# Altium PCB DataDriven_PCB.PcbDoc (part 3 of 3) (continued)
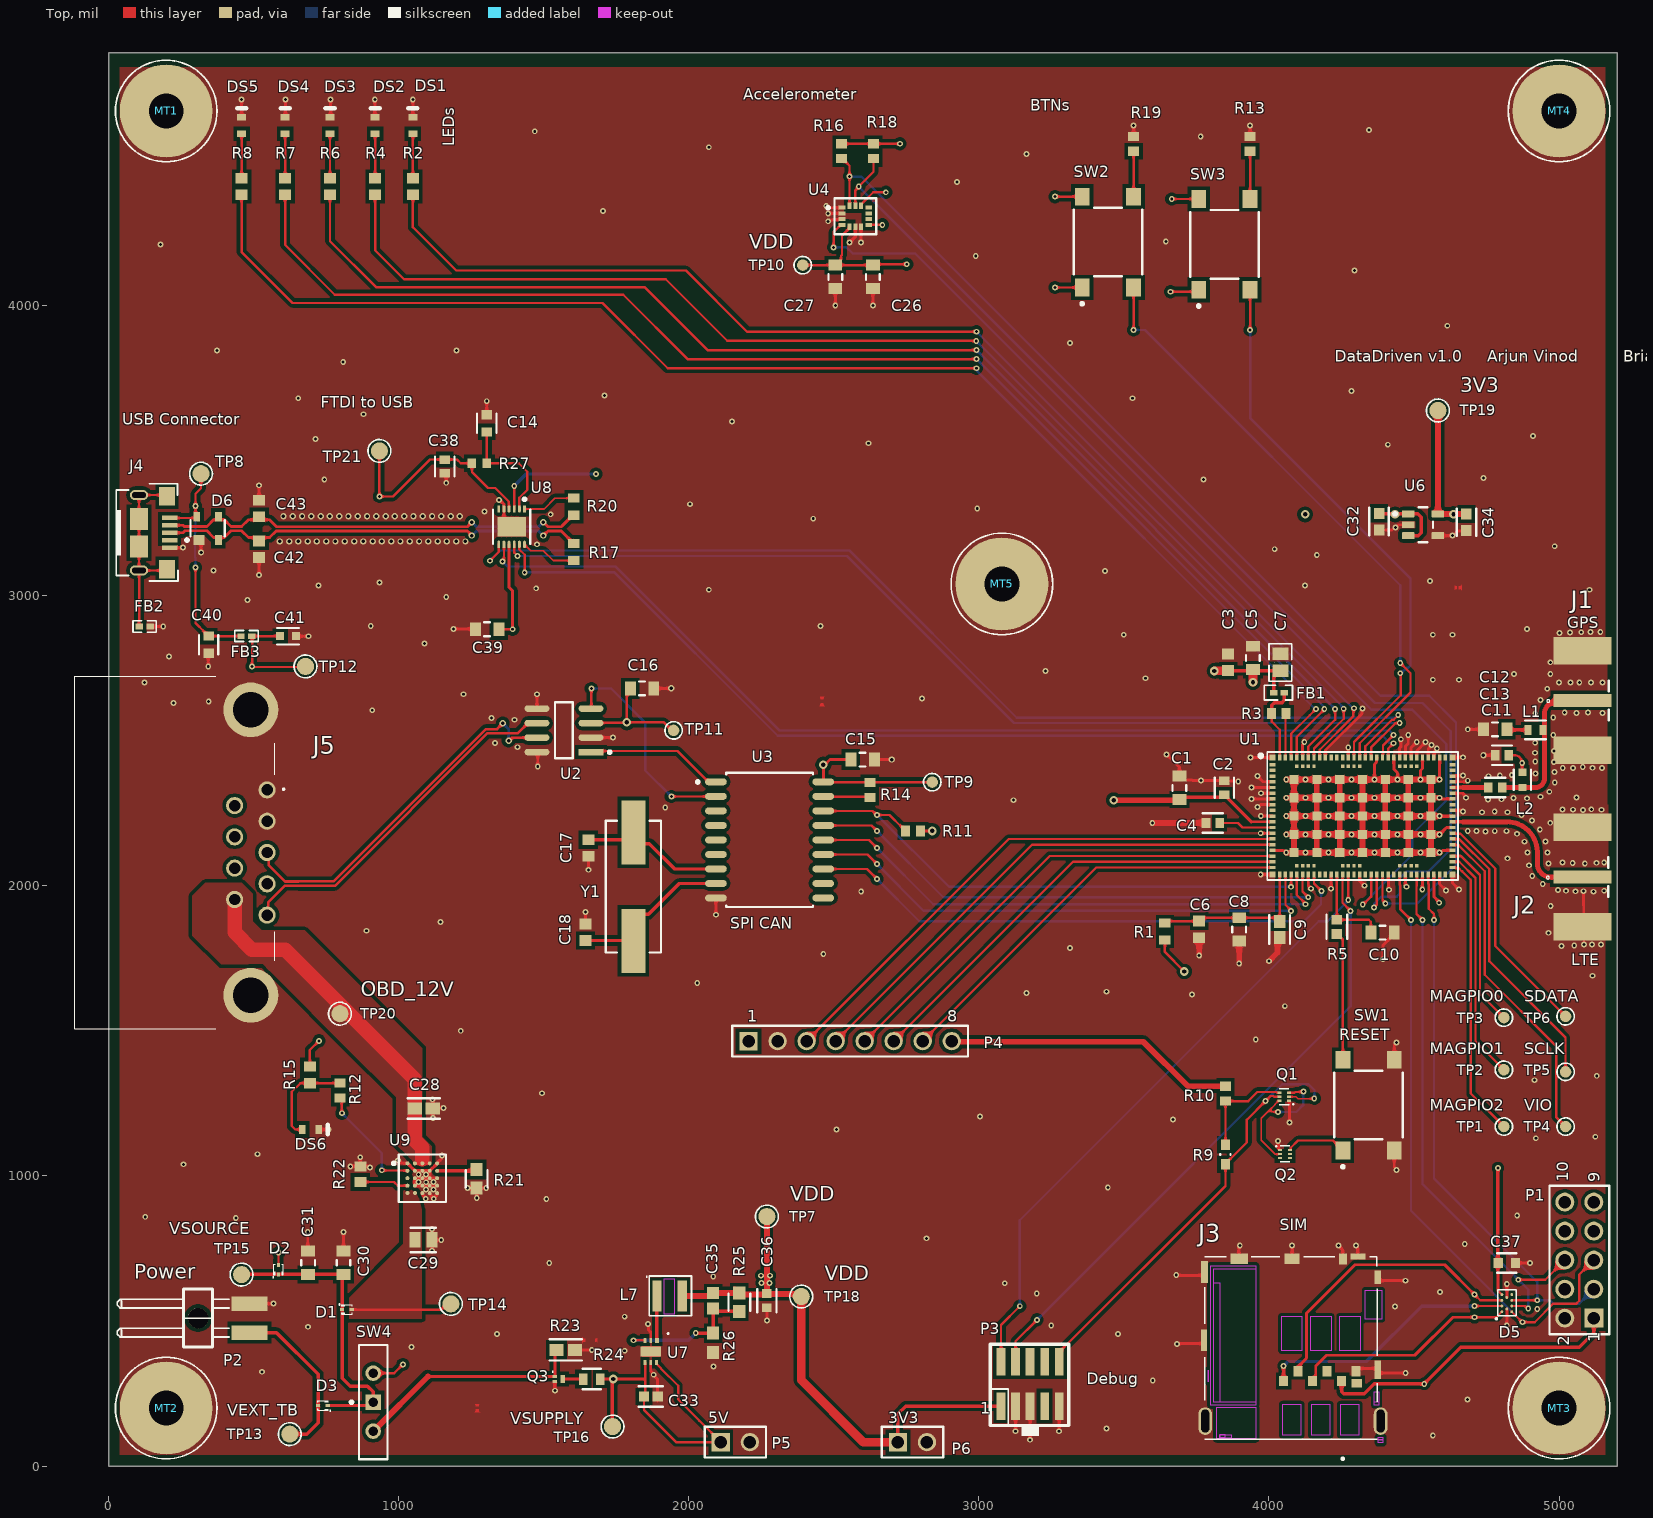
[diagram p0: Top view]
## Nets (pads, with @x,y where several pads share a name; then routed paths per layer and width w, separated by ;. In a path a pad name is that pad's centre, name@x,y a point inside that pad or via, vN(x,y) a via of type N, cw(c..) or ccw(c..) an arc to the next point about the centre after c; other vN are vias at no path point) (continued)
  Top w11.81: U1.55@4632.68,2102.36 4644.95,2102.36
MAGPIO1: TP2.1 U1.54 | length 803.7
  Top w8: U1.54@4632.68,2082.68 4655.83,2082.68 4711.95,2026.56 4711.95,1464.03 TP2.1@4810,1365.98
MAGPIO2: TP1.1 U1.53 | length 977.9
  Top w8: U1.53@4632.68,2062.99 4634.65,2061.02 4654.08,2061.02 4665.11,2050 cw(c4661.9,2042.67) 4667.55,2048.33 4694.28,2021.6 cw(c4688.62,2015.94) 4695.94,2019.19 ; 4695.95,2019.15 4695.95,1284.13 TP1.1@4810,1170.08
NetC6_2: C6.2 C8.1 C9.1 R1.2 U1.22 | length 569.9
  Top w8: R1.2@3641.73,1872.05 3647.64,1877.95 C6.2@3759.84,1877.95 3771.65,1889.76 C8.1@3897.64,1889.76 4024.63,1889.76 C9.1@4037.4,1876.99 U1.22@4037.4,2038.58
NetC10_1: C10.1 R5.2 U1.32 | length 313
  Top w8: U1.32@4234.25,2038.58 R5.2@4234.25,1882.87 4344.38,1882.87 4351.3,1875.96 C10.1@4351.3,1838.56
NetC12_1: C12.1 L1.1 | length 73.1
  Top w12: C12.1@4820.35,2539.06 4822.57,2536.85 L1.1@4892.5,2536.85
NetC14_1: C14.1 R27.2 U8.2 | length 401.1
  Top w8: R27.2@1304.84,3453.95 R27.2@1304.84,3455.92 ; C14.1@1304.84,3564.18 R27.2@1304.84,3455.92 ; U8.2@1417.04,3298.44 1417.04,3337.04 1444,3364 1444,3427 1415.08,3455.92 R27.2@1304.84,3455.92
NetC17_2: C17.2 U3.7 Y1.1 | length 504.5
  Top w11.81: C17.2@1654.92,2158.54 1784.53,2158.54 Y1.1@1810,2184.02 1810,2180.43 1845.43,2145 1865,2145 1952.13,2057.87 U3.7@2094.49,2057.87
NetC18_2: C18.2 U3.8 Y1.2 | length 565.3
  Top w11.81: C18.2@1645,1811.46 1808.54,1811.46 Y1.2@1810,1810 1810,1866.7 1845.43,1902.14 1862.14,1902.14 1967.87,2007.87 U3.8@2094.49,2007.87
NetC29_1: C29.1 D1.2 TP14.1 U9.E1 U9.E2 | length 372.7
  Top w8: D1.2@839.37,539.37 1147.57,539.37 1167.25,559.06 TP14.1@1181.1,559.06 ; C29.1@1045.28,767.72 C29.1@1057.09,779.53 C29.1@1053.15,783.46 ; U9.E2@1057.09,940.41 U9.E2@1057.09,940.94
NetC39_1: C39.1 U8.3 U8.9 | length 1443.1
  Top w10: C39.1@1346.43,2884.11 v1(1394.11,2884.11) 1394.11,3016.3 1381.61,3028.79 U8.9@1381.61,3176.39 ; U8.3@1399.33,3298.44 v1(1399.33,3377.67)
  PWR w12: v1(1394.11,2884.11) 1507.11,2884.11 1681,3058 v1(1681,3419)
  Bottom w12: v1(1399.33,3377.67) 1440.65,3419 v1(1681,3419)
NetC40_1: C40.1 D6.4 FB3.1 J4.1 TP8.1 | length 833.8
  Top w7.87: J4.1@211.61,3267.72 300.87,3267.72 D6.4@305.13,3271.97 301,3276.1 v1(301,3308.75) 301,3350.75 320,3369.75 TP8.1@320,3420
  Top w8: v1(301,3096.62) 301,2905.69 332.74,2873.95 332.74,2871.98 344.49,2860.24 C40.1@346.46,2860.24 FB3.1@457.68,2860.24
  Bottom w8: v1(301,3096.62) 301,3130.01 299.5,3131.51 299.5,3216.61 301,3218.11 v1(301,3308.75)
NetD5_A1: D5.A1 J3.2 | length 765.1
  Top w8: v1(4708.81,512.99) 4784.06,512.99 D5.A1@4802.95,531.89
  Top w10: J3.2@4150.83,303.15 4161.57,313.9 4161.57,344.97 4198.49,381.89 4503.12,381.89 4634.23,512.99 v1(4708.81,512.99)
NetD5_A2: D5.A2 J3.3 | length 879.5
  Top w8: v1(4708.81,551.5) 4708.89,551.57 D5.A2@4802.95,551.57
  Top w11.81: J3.3@4050.83,303.15 v1(4050.83,344.96)
  Bottom w11.81: v1(4050.83,344.96) 4066.49,360.62 4336.61,360.62 4527.48,551.5 v1(4708.81,551.5)
NetD5_A3: D5.A3 J3.6 | length 1006.7
  Top w8: v1(4708.89,590.94) 4728.58,571.26 D5.A3@4802.95,571.26
  Top w10: J3.6@4099.61,325.59 4099.61,341.68 4129.92,372 4129.92,526.7 4297.08,693.86 4605.98,693.86 v1(4708.89,590.94)
NetDS1_1: DS1.1 R2.1 | length 152.9
  Top w8: R2.1@1050,4438.54 DS1.1@1050,4591.46
NetDS2_1: DS2.1 R4.1 | length 152.9
  Top w8: R4.1@920,4438.54 DS2.1@920,4591.46
NetDS3_1: DS3.1 R6.1 | length 152.9
  Top w8: R6.1@764.76,4438.54 DS3.1@764.76,4591.46
NetDS4_1: DS4.1 R7.1 | length 152.9
  Top w8: R7.1@610,4438.54 DS4.1@610,4591.46
NetDS5_1: DS5.1 R8.1 | length 152.9
  Top w8: R8.1@460,4438.54 DS5.1@460,4591.46
NetDS6_1: DS6.1 R12.2 R15.1 | length 343.4
  Top w8: DS6.1@668.81,1160 645,1160 632.78,1172.22 632.78,1290.1 662.43,1319.75 R15.1@694.91,1319.75 R12.2@799.35,1319.75 R12.2@803.28,1315.81
NetFB1_2: FB1.2 R3.2 U1.102 | length 269.5
  Top w8: R3.2@4008.5,2593.77 4010.39,2591.88 4010.39,2565 4037.4,2537.99 U1.102@4037.4,2441.73
  Top w12: R3.2@4008.5,2593.77 4010.39,2595.66 4010.39,2621.95 4018.44,2630 4045,2630 4053.7,2638.7 FB1.2@4053.7,2665
NetFB2_1: FB2.1 J4.6@106.3,3086.61 J4.6@106.3,3169.29 J4.6@106.3,3263.78 J4.6@106.3,3346.46 J4.6@202.76,3090.55 J4.6@202.76,3342.52 | length 649.3
  Top w8: FB2.1@107.28,2893.7 106.79,2894.19 106.79,3086.12 J4.6@106.3,3086.61 ; J4.6@202.76,3090.55 198.82,3086.61 J4.6@106.3,3086.61 ; J4.6@202.76,3342.52 198.82,3346.46 J4.6@106.3,3346.46 J4.6@106.3,3263.78 J4.6@106.3,3169.29 J4.6@106.3,3086.61
NetL7_1: L7.1 U7.1 | length 153.3
  Top w8: U7.1@1890.91,434.13 U7.1@1891.65,433.39 ; L7.1@1890.91,585.22 L7.1@1891.69,586.01
  Top w12: U7.1@1890.91,434.13 L7.1@1890.91,585.22
NetQ1_3: Q1.3 Q1.6 Q2.2 | length 474.1
  Top w6.3: v1@4031.16,1220.47 4030.66,1220.97 4010,1220.97 4003.28,1227.69 ; Q1.6@4036.3,1259.13 4033.35,1259.13 4021.19,1246.97 4021.19,1245.6 4003.28,1227.69 ; Q2.2@4039.17,1075.77 4038.38,1074.98 4022.37,1074.98 3973.75,1123.6 3973.75,1198.16 4003.28,1227.69
  Top w8: Q1.3@4069.77,1286.69 4088.58,1286.69 4091.25,1289.37 4117.56,1289.37 v1(4118.92,1290.73)
  Bottom w8: v1(4031.5,1220.47) 4094.49,1220.47 4118.11,1244.09 4118.11,1289.92 v1(4118.92,1290.73)
NetQ1_4: Q1.4 R9.2 R10.1 | length 350.7
  Top w8: R9.2@3850.39,1107.28 R10.1@3850.39,1257.87 3928.71,1257.87 3960.27,1289.43 4025.79,1289.43 4025.85,1289.37 4028.53,1286.69 Q1.4@4036.3,1286.69
NetQ2_6: Q2.6 SW1.1 | length 217.5
  Top w8: Q2.6@4072.63,1089.55 4075.58,1089.55 4075.58,1097.04 4100.59,1122.05 4220.67,1122.05 4230.51,1112.2 4235.43,1112.2 4255.12,1092.52 SW1.1@4255.12,1087.6
NetQ3_1: Q3.1 R23.2 SW4.2 | length 795.5
  Top w10: 1101.97,309.06 Q3.1@1539.37,309.06 R23.2@1539.37,400.49
  Top w20: SW4.2@913.39,120.47 1101.97,309.06
NetQ3_3: Q3.3 R24.2 | length 70.4
  Top w8: Q3.3@1566.93,300.2 Q3.3@1567.13,300
  Top w10: Q3.3@1567.13,300 R24.2@1637.29,300
NetR3_1: R3.1 U1.101 | length 152
  Top w8: U1.101@4057.09,2441.73 R3.1@4057.09,2593.77
NetR12_1: R12.1 U9.B1 | length 397.7
  Top w8: R12.1@799.35,1268.57 804.85,1263.06 804.85,1217.03 v1(805.55,1216.33) ; v1(943.07,1019.54) 943.98,1018.63 1030.58,1018.63 U9.B1@1031.5,1017.72
  Bottom w8: v1(805.55,1216.33) 943.07,1078.82 v1(943.07,1019.54)
NetR13_1: R13.1 SW3.4 | length 164.4
  Top w8: SW3.4@3935.51,4366.97 R13.1@3935.51,4531.34
NetR14_1: R14.1 U3.17 | length 170.2
  Top w8: U3.17@2464.57,2307.87 2465.94,2306.5 R14.1@2634.23,2306.5
NetR17_2: R17.2 U8.12 | length 193.3
  Top w6: U8.12@1434.76,3176.39 1456.98,3154.17 1500.02,3154.17 1533.49,3120.71 R17.2@1605,3120.71
NetR19_1: R19.1 SW2.4 | length 156.5
  Top w8: SW2.4@3533.94,4374.84 R19.1@3533.94,4531.34
NetR20_2: R20.2 U8.1 | length 185.7
  Top w6: U8.1@1434.76,3298.44 1502.26,3298.44 1539.66,3335.84 R20.2@1605,3335.84
NetR21_1: R21.1 U9.B5 | length 136.1
  Top w12: U9.B5@1133.86,1017.72 R21.1@1270,1017.72
NetR22_1: R22.1 U9.D1 | length 167.7
  Top w8: R22.1@869.11,979.31 985.09,979.31 997.87,966.54 U9.D1@1031.5,966.54
nRESET: R5.1 SW1.2 | length 442.3
  Top w8: R5.1@4234.25,1833.61 4235.26,1833.61 4255.12,1813.75 SW1.2@4255.12,1400.59
OBD_12V: C28.1 J5.9 TP20.1 U9.A2 U9.A3 U9.A4 | length 1312.7
  Top w10: U9.A2@1057.09,1043.31 U9.A3@1082.68,1043.31 U9.A4@1108.27,1043.31
  Top w50: J5.9@435.91,1952.76 435.91,1839.09 495,1780 609.76,1780 830.71,1559.06 ; TP20.1@798.84,1559.06 830.71,1559.06 ; 1082.68,1058.27 1082.68,1097.5 1056.91,1123.26 C28.1@1056.91,1232.28 1056.91,1332.85 830.71,1559.06
OPT1: P4.3 U1.15 | length 1894.6
  Top w8: P4.3@2407.09,1464.57 3103.94,2161.42 U1.15@4012.99,2161.42
OPT2: P4.4 U1.16 | length 1786.4
  Top w8: P4.4@2507.09,1464.57 3184.25,2141.73 U1.16@4012.99,2141.73
OPT3: P4.5 U1.18 | length 1670.1
  Top w8: P4.5@2607.09,1464.57 3244.88,2102.36 U1.18@4012.99,2102.36
OPT4: P4.6 U1.19 | length 1561.2
  Top w8: P4.6@2707.57,1465.06 3325.2,2082.68 U1.19@4012.99,2082.68
OPT5: P4.7 U1.20 | length 1453.8
  Top w8: P4.7@2807.09,1464.57 3405.51,2062.99 U1.20@4012.99,2062.99
RESET: P3.10 Q1.2 Q1.5 R9.1 | length 1569.2
  Top w6.02: Q1.2@4069.77,1272.91 4093.71,1272.91 4100.59,1266.03 4155.38,1266.03 v1(4156.53,1267.19)
  Top w8: P3.10@3277.17,360.24 3277.17,392.52 3850.39,965.75 R9.1@3850.39,1040.35 3850.39,1042.32 3924.26,1116.18 3924.26,1193.94 v1(3988.19,1257.87) 4005.91,1275.59 4015.02,1275.59 4017.7,1272.91 Q1.5@4036.3,1272.91
  Bottom w8: v1(3988.19,1257.87) 4046.26,1315.94 4136.81,1315.94 4157.48,1295.28 4157.48,1268.14 v1(4156.53,1267.19)
RXCAN: U2.4 U3.2 | length 747.1
  Top w8: v1(1665.2,2679.65) 1665.2,2613.25 U2.4@1665.89,2612.56 ; v1(1940.94,2307.87) U3.2@2094.49,2307.87
  Bottom w8: v1(1665.2,2679.65) 1733.74,2679.65 1850.39,2562.99 1850.39,2398.43 v1(1940.94,2307.87)
SCLK: TP5.1 U1.58 | length 989.7
  Top w8: 4644.13,2159.45 4634.65,2159.45 U1.58@4632.68,2161.42 4655.31,2161.42 4759.95,2056.77 4759.95,1740.05 5022.6,1477.4 TP5.1@5022.6,1358.76
SDATA: TP6.1 U1.59 | length 807.6
  Top w8: U1.59@4632.68,2181.1 4634.65,2179.13 4660.22,2179.13 4780,2059.35 4780,1792.6 TP6.1@5022.6,1550
SIM_1V8: C37.1 D5.A4 J3.1 P1.1 U1.49 | length 3440.6
  Top w8: v1(4586.98,1941.35) v1@4586.98,1943.83 ; 4789.37,604.25 D5.A4@4802.68,590.94 ; C37.1@4789.37,701.18 C37.1@4790.55,700
  Top w10: U1.49@4568.9,2038.58 4568.9,1961.92 v1@4586.98,1943.83 ; 4789.37,604.25 C37.1@4789.37,700
  Top w11.81: J3.1@4250.83,293.03 4250.83,255.58 4257.74,248.66 4328.87,248.66 4363.4,283.19 v1@4535.16,283.19 ; v1(4535.43,283.46) 4661.97,410 5070,410 5120,460 P1.1@5120,510
  Top w12: C37.1@4789.37,701.18 v1(4789.37,1027.56)
  PWR w15: v1(4535.43,283.46) 4535.43,773.35 v1@4789.37,1027.28 ; v1(4586.98,1941.35) 4789.37,1738.96 v1(4789.37,1027.56)
SIM_CLK: D5.C2 P1.6 U1.46 | length 1903.8
  Top w8: U1.46@4509.84,2038.58 4509.84,1999.11 4508.89,1998.16 4508.89,1902.92 v1(4529.53,1882.28) ; D5.C2@4837.2,551.57 4881.86,551.57 4890.13,543.31 v1(4893.96,543.31) ; v1(4859.63,642.26) 4952.26,642.26 P1.6@5020,710
  Bottom w8: v1(4529.53,1882.28) 4529.53,972.45 4893.7,608.27 4893.7,543.56 v1(4893.96,543.31)
SIM_IO: D5.C3 P1.3 U1.48 | length 1930.7
  Top w8: U1.48@4549.21,2038.58 4549.21,2006.71 4550.74,2005.18 4550.74,1921.07 4568.9,1902.92 v1(4568.9,1882.28) ; D5.C3@4837.43,571.48 4852.04,571.48 4852.12,571.56 4868.49,571.56 4868.57,571.48 v1(4924.97,571.48)
  Bottom w8: v1(4568.9,1882.28) 4568.9,991.1 4925.2,634.8 v1@4925.2,571.71 ; v1(4924.97,571.48) 4968.52,571.48 4980,560 5070,560 P1.3@5120,610
SIM_RST: D5.C1 P1.5 U1.43 | length 2156.8
  Top w8: U1.43@4450.79,2038.58 4450.79,2004.03 4452.36,2002.45 4452.36,1920.07 v1(4490.16,1882.28) ; D5.C1@4837.2,531.89 4873.03,496.06 v1(4874.02,496.06) 4916.06,496.06 4980,560 5060,560 5070,570 5070,660 P1.5@5120,710
  Bottom w8: v1(4490.16,1882.28) 4490.16,879.92 v1(4874.02,496.06)
SWDCLK: P3.4 U1.33 | length 2168.2
  Top w8: P3.4@3127.17,360.24 3127.17,430.31 v1(3200.79,503.94) ; U1.33@4253.94,2038.58 4253.94,1941.25 v1(4281.8,1913.39)
  Bottom w8: v1(3200.79,503.94) 4281.8,1584.95 v1(4281.8,1913.39)
SWDIO: P3.2 U1.34 | length 2191.5
  Top w8: P3.2@3077.17,360.24 3077.17,486.61 v1(3141.73,551.18) ; v1(4273.62,1950.99) U1.34@4273.62,2038.58
  Bottom w8: v1(3141.73,551.18) 3141.73,847.58 4172.08,1877.93 4202.07,1877.93 4273.62,1949.47 v1(4273.62,1950.99)
TXCAN: U2.1 U3.1 | length 474.5
  Top w8: U2.1@1664.08,2464.37 1962.4,2464.37 2068.9,2357.87 U3.1@2094.49,2357.87
USB_CTS: U1.83 U8.11 | length 3399.3
  Top w8: U8.11@1417.04,3176.39 1417.04,3158.96 1435.45,3140.55 v1(1435.45,3080) ; U1.83@4411.42,2441.73 4411.42,2472.85 v1(4429.78,2491.22)
  Bottom w8: v1(1435.45,3080) 1744.7,3080 2307.88,2516.81 4391.15,2516.81 4415.71,2492.26 4428.75,2492.26 v1(4429.78,2491.22)
USB_N: C43.2 D6.3 J4.2 R20.1 | length 1483.3
  Top w9.32: J4.2@211.61,3242.13 257.87,3242.13 262.17,3237.83 340,3237.83 363.51,3261.34 D6.3@372.78,3261.34 ; D6.3@379.93,3268.49 387.08,3261.34 400,3261.34 423.51,3237.83 460,3237.83 483.51,3261.34 C43.2@520,3261.34 ; C43.2@520,3271.46 C43.2@520,3261.34 ; v2(1253.66,3253.17) 1237.67,3237.19 580.64,3237.19 556.49,3261.34 C43.2@520,3261.34 ; v2(1499.58,3253.17) 1508.64,3244.11 1515.56,3237.19 1561.46,3237.19 ccw(c1561.46,3240.72) 1561.55,3237.19 1564.28,3239.92 1564.99,3240.63 ccw(c1561.46,3240.72) 1565,3240.72 1601.06,3276.78 R20.1@1605,3276.78
  Bottom w9.32: v2(1253.66,3253.17) 1269.64,3237.19 1483.59,3237.19 v2(1499.58,3253.17)
USB_P: C42.2 D6.2 J4.3 R17.1 | length 1491.7
  Top w9.32: J4.3@211.61,3216.54 257.87,3216.54 264.85,3223.51 340,3223.51 363.51,3200 372.78,3200 D6.2@379.93,3192.85 ; D6.2@379.93,3191.26 D6.2@379.93,3192.85 ; C42.2@520,3188.54 C42.2@520,3200 ; v2(1253.66,3206.88) 1237.67,3222.87 579.36,3222.87 556.49,3200 C42.2@520,3200 ; v2(1499.58,3206.88) 1515.56,3222.87 1561.46,3222.87 ; 1561.55,3222.87 1564.28,3220.14 ; 1565,3219.34 R17.1@1601.06,3183.28 ; D6.2@379.93,3192.85 387.08,3200 400,3200 423.51,3223.51 460,3223.51 483.51,3200 C42.2@520,3200
  Bottom w9.32: v2(1253.66,3206.88) 1269.64,3222.87 1483.59,3222.87 v2(1499.58,3206.88)
USB_RTS: U1.84 U8.8 | length 3473.2
  Top w8: v1(1359.04,3117.45) 1359.04,3120.21 1363.89,3125.06 U8.8@1363.89,3176.39 ; U1.84@4391.73,2441.73 4393.63,2443.63 4393.63,2483.26 4429.78,2519.42 v1(4429.78,2520)
  Bottom w8: v1(1359.04,3117.45) 1376.5,3100 1748.1,3100 2313.1,2535 4414.78,2535 v1(4429.78,2520)
USB_RX: U1.87 U8.7 | length 3652.4
  Top w8: v1@1315.91,3120 1346.18,3150.27 U8.7@1346.18,3176.39 ; U1.87@4332.68,2441.73 4332.68,2480.49 4424.5,2572.31 4429.96,2572.31 v1(4445.62,2587.97)
  Bottom w8: v1(1315.45,3120) 1350.91,3155.45 2554.55,3155.45 3130.86,2579.14 4434.93,2579.14 4443.76,2587.97 v1(4445.62,2587.97)
USB_TX: U1.86 U8.10 | length 3491.1
  Top w8: U8.10@1399.33,3176.39 1399.33,3148.13 v1(1411,3136.45) ; U1.86@4352.36,2441.73 4352.36,2476.42 4436.12,2560.18 4450.34,2560.18 v1(4450.79,2560.63)
  Bottom w8: v1(1411,3136.45) 2545.84,3136.45 3121.66,2560.63 v1(4450.79,2560.63)
VBUS: C41.1 D2.2 FB3.2 TP12.1 | length 419.4
  Top w8: FB3.2@495.08,2860.24 FB3.2@496.3,2860.24 ; D2.2@586.61,693.7 587.07,694.16 587.07,735.65 v1(587.52,736.1) ; C41.1@592.44,2860 592.2,2860.24 FB3.2@496.3,2860.24 ; TP12.1@670,2754.03 497.94,2754.03 v1(496.06,2755.91) 496.06,2860 FB3.2@496.3,2860.24
VDD: C1.1 C2.1 C15.1 C16.1 C26.1 C27.1 C35.2 C36.1 C38.1 L7.2 P3.1 P4.8 P6.1 R10.2 R11.1 R14.2 R15.2 R16.2 R18.2 R25.2 R27.1 SW2.1 SW2.2 SW3.1 SW3.2 TP7.1 TP9.1 TP10.1 TP11.1 TP18.1 TP21.1 U1.12 U2.3 U3.18 U4.5 U4.8 U4.12 U8.4 | length 6748.1
  Top w8: R15.2@694.91,1376.83 694.91,1433.92 v1(726.41,1465.42) ; TP21.1@934.76,3498.59 v1(934.76,3341.74) 982,3341.74 1108.97,3468.71 C38.1@1160.15,3468.71 1201.98,3468.71 1214.78,3455.92 R27.1@1253.66,3455.92 1253.66,3426.39 1309.26,3370.79 1333.86,3370.79 1380.63,3324.03 U8.4@1380.63,3305.33 ; U2.3@1663.92,2560.43 1665.2,2561.71 1786.12,2561.71 v3(1787.4,2562.99) ; C16.1@1799.65,2680 1787.4,2667.76 v3(1787.4,2562.99) ; TP11.1@1948.82,2535.43 1943.27,2535.43 1915.72,2562.99 v3(1787.4,2562.99) ; L7.2@1978.31,548.61 L7.2@1978.31,586.01 ; R25.2@2158.03,615.51 R25.2@2175,598.54 ; TP10.1@2393.7,4138.78 C27.1@2505.91,4138.78 C27.1@2510.83,4138.78 ; U3.18@2464.57,2357.87 2465.35,2357.09 TP9.1@2840,2357.09 ; R16.2@2527.56,4557.09 R18.2@2637.8,4557.09 v1(2728.35,4557.09) ; U4.5@2555.12,4271.16 2555.12,4266.73 2529.04,4240.65 2529.04,4173.35 2525.71,4170.03 2525.71,4153.67 C27.1@2510.83,4138.78 ; U4.12@2594.49,4343.01 2594.49,4347.44 2636.81,4389.76 v1(2680,4389.76) ; C26.1@2620.57,4138.78 C27.1@2510.83,4138.78 ; C26.1@2620.57,4142.72 2631.56,4142.72 C26.1@2635.5,4138.78 2638.45,4141.73 v1(2751.97,4141.73) ; U4.8@2620.57,4277.56 v1(2667.98,4277.56) ; v1(3263.27,4061.85) SW2.1@3356.77,4061.85 ; v1(3263.27,4374.84) SW2.2@3356.77,4374.84 ; v1(3661.42,4047.24) 3751.61,4047.24 SW3.1@3758.35,4053.98 SW3.1@3758.35,4058.9 ; v1(3665.35,4366.97) SW3.2@3758.35,4366.97 SW3.2@3758.35,4362.05 ; C1.1@3689.68,2295 C1.1@3699.8,2305.12 ; 3791.34,1303.15 3844.49,1303.15 3846.7,1305.36 R10.2@3850.39,1309.06 ; C2.1@3837.6,2305.12 C2.1@3846.46,2313.98 ; C2.1@3849.41,2313.98 3858.27,2305.12 C2.1@3858.27,2302.17 ; 3939.96,2220.47 U1.12@4012.99,2220.47
  Top w10: U3.18@2464.57,2357.87 v3(2464.57,2417.05) 2469.98,2417.05 2487.92,2435 C15.1@2559.65,2435 ; R11.1@2799.21,2188.98 v3(2840,2188.98)
  Top w12: P6.1@2721.65,82.68 2721.65,180 2748.35,206.69 P3.1@3077.17,206.69 ; C1.1@3699.8,2305.12 C2.1@3837.6,2305.12 ; C2.1@3858.27,2302.17 3939.96,2220.47
  Top w20: L7.2@1978.31,586.01 2085,586.01 2085,586.17 2095.67,596.84 2182.58,596.84 R25.2@2184.2,595.21 ; R25.2@2174.31,591.83 2264.17,591.83 2263.35,592.65 TP18.1@2361.78,592.65 ; C36.1@2270,594.68 TP7.1@2270,860 ; TP18.1@2388.39,592.65 TP18.1@2361.78,592.65 ; TP18.1@2400,565 2389.43,565 2388.39,566.05 TP18.1@2361.78,592.65 ; P4.8@2907.09,1464.57 2909.15,1462.5 3567.5,1462.5 3720.94,1309.06 3791.34,1309.06 3843.01,1309.06 3846.7,1305.36 R10.2@3848.56,1303.5 ; v3(3465,2295) C1.1@3689.68,2295
  Top w30: TP18.1@2388.39,584.44 2388.39,566.05 2388.39,296.61 2602.57,82.43 2644.91,82.43 2645.16,82.68 P6.1@2721.65,82.68
  other v1: 2279.15,630.72 2251.88,631.52 2250.12,656.25 2281.23,656.25
VEXT_TB: D3.2 P2.2 TP13.1 | length 589.1
  Top w11.81: TP13.1@625.98,110.24 685.04,110.24 723.62,148.82 D3.2@723.62,208.66 723.62,316.38
  Top w12: P2.2@475.22,460 580,460 723.62,316.38
VFB: C35.1 R25.1 R26.2 U7.3 | length 511.4
  Top w8: v1(1810,433.46) 1810.04,433.42 U7.3@1850.31,433.39 U7.3@1850.31,433.39 ; R26.2@2084.02,459.45 2085,460.43 R26.2@2088.94,464.37
  Top w12: v1(2025,458.46) 2083.03,458.46 R26.2@2084.02,459.45 ; R26.2@2085,458.46 2085,460.43 C35.1@2085,543.43 2095.53,532.9 R25.1@2175,532.9
  Bottom w12: v1(1810,433.46) 2000,433.46 v1(2025,458.46)
VIO: TP4.1 U1.57 | length 1144.4
  Top w8: U1.57@4632.68,2141.73 4634.65,2139.76 4653.91,2139.76 4743.95,2049.72 4743.95,1693.55 4990,1447.5 4990,1202.68 TP4.1@5022.6,1170.08
VSOURCE: C30.1 C31.1 D1.1 D2.1 D3.1 SW4.1 TP15.1 | length 1033.9
  Top w8: TP15.1@459.83,660.08 460.38,660.63 TP15.1@480.47,660.63 ; C31.1@688.78,660.63 C31.1@688.98,660.43 ; C30.1@806.24,655.65 C30.1@811.02,660.43 ; D1.1@806.3,539.37 D1.1@807.09,538.58 ; SW4.1@901.57,208.66 SW4.1@913.39,220.47
  Top w10: D3.1@756.69,208.66 SW4.1@901.57,208.66
  Top w12: TP15.1@480.47,660.63 C31.1@688.78,660.63 ; C31.1@688.98,660.43 C30.1@811.02,660.43 ; D1.1@806.3,539.37 C30.1@806.24,655.65 ; D1.1@807.09,538.58 807.09,303.15 834.65,275.59 893.7,275.59 913.39,255.91 SW4.1@913.39,220.47
VSUPPLY: C3.2 C5.1 C7.1 C32.1 C33.1 FB1.1 P5.1 R1.1 R24.1 SW4.3 TP16.1 U6.1 U6.3 U7.4 U7.6 | length 2369.3
  Top w7.87: C32.1@4380,3283.61 C32.1@4382.11,3281.5
  Top w8: SW4.3@913.39,320.47 985.83,320.47 v1(1015.75,350.39) ; U7.4@1850.31,356.61 1850.39,356.54 1850.39,228.37 1846.43,224.41 1846.43,193.57 1957.32,82.68 P5.1@2111.42,82.68 2037.38,156.72 1964.57,229.53 1964.57,276.58 1905.31,335.83 1905.31,337.05 1890.61,351.76 1890.61,355.69 U7.6@1889.68,356.61 ; P5.1@2085.83,100.39 2105.51,80.71 P5.1@2107.48,82.68 ; R1.1@3641.73,1812.99 3641.73,1771.65 v3(3708.66,1704.72)
  Top w12: R24.1@1696.34,300 1696.52,300.18 v3(1740.47,300.18) ; TP16.1@1730,135 1737.03,142.03 1737.03,296.73 v3(1740.47,300.18) ; 1848.25,299.44 1847.51,300.18 v3(1740.47,300.18) ; C3.2@3860,2741.46 3945.41,2741.46 4039.02,2741.46 C7.1@4040,2740.47 4034.09,2740.47 4018.44,2724.82 4018.44,2718.91 4016.3,2716.77 FB1.1@4016.3,2665 ; C32.1@4382.11,3281.5 U6.1@4480.31,3281.5 4513.5,3281.5 4525,3270 4525,3216.69 4515,3206.69 U6.3@4480.31,3206.69
  Top w30: v3(3812.25,2739.99) cw(c3813.71,2739.99) 3813.71,2741.46 C3.2@3860,2741.46 ; C5.1@3945,2744.65 3945.41,2744.65 3945.41,2741.46 v3(3945.41,2700.89)
  PWR w30: v3(4125,3280) v3(4435,3280)
pads on no net: D5.C4 J3.5 J3.7 J4.4 J4.6@106.3,3086.61 J4.6@106.3,3346.46 J5.4 J5.6 J5.7 J5.8 P1.4 P1.7 P1.8 P1.9 P1.10 P2.0 P3.6 P3.7 P3.8 P4.1 Q2.3 Q2.4 Q2.5 U1.2 U1.3 U1.4 U1.10 U1.29 U1.30 U1.35 U1.37 U1.42 U1.45 U1.51 U1.64 U1.70 U1.71 U1.73 U1.91 U1.92 U1.93 U1.104 U1.105 U1.106 U1.107 U1.108 U1.109 U1.110 U1.111 U1.112 U1.113 U1.114 U1.115 U1.116 U1.117 U1.118 U1.119 U1.120 U1.121 U1.122 U1.123 U1.124 U1.125 U1.126 U1.127 U3.3 U3.4 U3.5 U3.6 U3.10 U3.11 U4.9 U4.10 U4.11 U8.6 U9.C1

## Polygon pours and split planes (outlines as drawn)
VDD on PWR "VDD_L03_P002" (solid, remove dead copper, pour order 2): 2283.46,4645.67 3992.13,4645.67 4220.47,4417.32 4220.47,4226.73 3555.12,3561.37 3555.12,1850.12 2310,605 1123.7,605 641.73,1093.66 641.73,3090.55
VSUPPLY on PWR "VSUPPLY_L03_P003" (solid, remove dead copper, pour order 3): 3031.5,62.99 4273.26,1304.76 4234.06,3997.84 3748.03,3511.81 3748.03,1842.52 2445.51,540 870.08,540 870.08,55.12 877.95,47.24 893.7,62.99
VBUS on PWR "VBUS_L03_P004" (solid, pour order 4): 1165.35,3736.22 570.87,3141.73 570.87,1066.93 791.34,846.46 791.34,322.83 70.87,322.83 62.99,314.96 62.99,3736.22
GND on PWR "GND_L03_P001" (solid, remove dead copper, pour order 1): 1199.43,3353 1545,3353 1545,3118 1199.43,3118
GND on Top "Top-No Net" (solid, pour order 25): 1240.44,3284.43 1243.23,3284.43 1245.92,3283.71 1248.69,3283.34 1251.26,3282.28 1253.96,3281.55 1257.52,3280.08 1261.99,3277.5 1267.15,3274.52 1270.29,3271.38 1275,3266.67 1275,3266.66 1278.17,3261.19 1280.56,3257.04 1282.04,3253.48 1283.24,3248.99 1284.91,3242.74 1284.91,3239.04 1284.91,3231.63 1284.48,3230.03 1284.91,3228.43 1284.91,3224.72 1284.91,3217.32 1284.91,3217.31 1283.61,3212.44 1282.04,3206.58 1280.56,3203.02 1277.16,3197.13 1275,3193.39 1271.07,3189.47 1267.15,3185.54 1261.67,3182.37 1257.52,3179.98 1253.96,3178.5 1251.26,3177.78 1248.69,3176.71 1245.92,3176.35 1243.23,3175.63 1240.44,3175.63 1237.67,3175.26 579.36,3175.26 576.6,3175.63 573.81,3175.63 571.11,3176.35 568.35,3176.71 565.77,3177.78 563.07,3178.5 559.51,3179.98 555.04,3182.56 549.89,3185.54 549.88,3185.54 546.74,3188.68 542.03,3193.39 538.87,3198.87 536.47,3203.02 535,3206.58 533.79,3211.07 532.12,3217.31 532.12,3217.32 532.12,3221.02 532.12,3228.43 533.39,3233.19 533.39,3235.34 533.39,3242.74 533.4,3242.74 534.7,3247.62 536.27,3253.48 537.75,3257.04 541.14,3262.92 543.3,3266.66 543.3,3266.67 547.23,3270.59 551.16,3274.52 556.64,3277.68 560.78,3280.08 564.35,3281.55 567.04,3282.28 569.62,3283.34 572.39,3283.71 575.08,3284.43 577.87,3284.43 580.64,3284.79 1237.67,3284.79
GND on Top "GND_L01_P023" (solid, remove dead copper, pour order 23): 40,40 5160,40 5160,4820 40,4820 40,4780 40,4820 40,4780
OBD_12V on Top "OBD_12V_L01_P018" (solid, remove dead copper, pour order 18): 1083,1168 1083,1135 1115,1103 1115,1041 1110,1036 1065,1036 1030,1071 992.68,1108.32 992.68,1270.32 534,1729 389,1729 290,1828 290,1965 335,2010 460,2010 498,1972 498,1877 529,1846 677,1846 1083,1440
GND on Top "GND_L01_P019" (solid, pour order 19): 4633,2259.34 cw(c4634.2,2258.13) 4634.2,2259.84 4655.83,2259.84 ccw(c4655.83,2265.48) 4659.82,2261.49 4677.85,2279.53 cw(c4678.99,2278.39) 4679,2280 5170,2280 5170,1860 4830,1860 4830,2139.76 4612.34,2139.76 4612.34,2260.64 4644.13,2260.64 4644.13,2259.84
GND on Top "GND_L01_P020" (solid, pour order 20): 4629.72,2294.42 ccw(c4649.4,2294.42) 4649.4,2274.73 5167.04,2274.73 5167.04,2815.2 ccw(c5157.04,2815.2) 5157.04,2825.2 4967.04,2825.2 ccw(c4967.04,2725.2) 4867.04,2725.2 4867.04,2655.2 cw(c4827.04,2655.2) 4827.04,2615.2 4774.89,2615.2 ccw(c4774.89,2515.2) 4674.89,2515.2 4674.89,2353.47 4629.72,2353.47
NetC29_1 on Top "NETC29_1_L01_P005" (solid, pour order 5): 1080.76,576.2 1080.76,508.04 1011.81,508.04 830.81,508.04 830.81,580.29 1016.23,765.71 1016.23,953.4 1066.68,953.4 1066.9,953.18 1079.85,882.96 1080.76,882.05
GND on Bottom "GND_L04_P024" (solid, remove dead copper, pour order 24): 40,40 5160,40 5160,4820 40,4820
GND on Bottom "GND_L04_P022" (solid, pour order 22): 4984.42,2200 4980,2195.58 4980,2090 5190,2090 5190,2210 4985.35,2210 4984.42,2209.07 4984.42,2194.39
GND on Bottom "GND_L04_P021" (solid, pour order 21): 4971.29,1985.66 4971.29,1870 5190,1870 5190,1985.66 4970,1985.66
GND on GND "GND_L02_P000" (solid, pour order 0): 5200,0 5200,4870.08 1.97,4870.08 1.97,0

## Keep-outs
Top:
  rectangle: 1915.09,524.46 1951.78,644.34

## Other copper
PWR:
  rectangle net VDD: 2230,620 2300,670

## Silkscreen, mask and mechanical layers (free items; w line width, h text height)
Top Overlay:
  text "Accelerometer" at 2189.1,4708.79 h39.37
  text "BTNs" at 3177.76,4671.23 h39.37
  text "LEDs" at 1192,4548 h39.37 r90
  text "VDD" at 2210,4195.01 h50
  text "DataDriven v1.0     Arjun Vinod         Brian Li           Bryan Olivares   Nicholas Tran      Patrick Kim" at 4226.3,3806.46 h39.37
  text "3V3" at 4660,3700.01 h50
  text "FTDI to USB" at 733,3646.59 h39.37
  text "USB Connector" at 48,3588 h39.37
  text "GPS" at 5028,2888 h39.37
  text "SPI CAN" at 2143.82,1851.68 h39.37
  text "LTE" at 5042,1725.24 h39.37
  text "OBD_12V" at 870,1619.17 h50
  text "MAGPIO0" at 4555,1600.01 h40
  text "SDATA" at 4880,1600.01 h40
  text "RESET" at 4243,1468 h39.37
  text "MAGPIO1" at 4555,1420.01 h40
  text "SCLK" at 4880,1420.01 h40
  text "MAGPIO2" at 4555,1225.01 h40
  text "VIO" at 4880,1225.01 h40
  text "VDD" at 2350,915.01 h50
  text "SIM" at 4038,813 h39.37
  text "VSOURCE" at 210.09,799.01 h42
  text "Power" at 90,645 h50
  text "VDD" at 2470,640.01 h50
  text "Debug" at 3372.54,281.77 h39.37
  text "VEXT_TB" at 410,173.34 h40
  text "5V" at 2068,148 h39.37
  text "3V3" at 2688,148 h39.37
  text "VSUPPLY" at 1385.09,144.01 h42
Mechanical 1:
  lines w5: 1.97,0 1.97,4870.08 5200,4870.08 5200,0 5190,0 1.97,0

## Text inside footprints (layer, text, board x,y; h text height)
P1: Top Overlay "2" at 5034.57,414.33 h40 r90; Top Overlay "1" at 5140.87,426.14 h40 r90; Top Overlay "9" at 5140.87,978.11 h40 r90; Top Overlay "10" at 5031.81,979.29 h40 r90
P3: Top Overlay "1" at 3005,180 h40
P4: Top Overlay "8" at 2892.13,1531.5 h40; Top Overlay "1" at 2202.36,1531.5 h40